# Altium PCB module_base.PcbDoc (part 1 of 4) (continued)
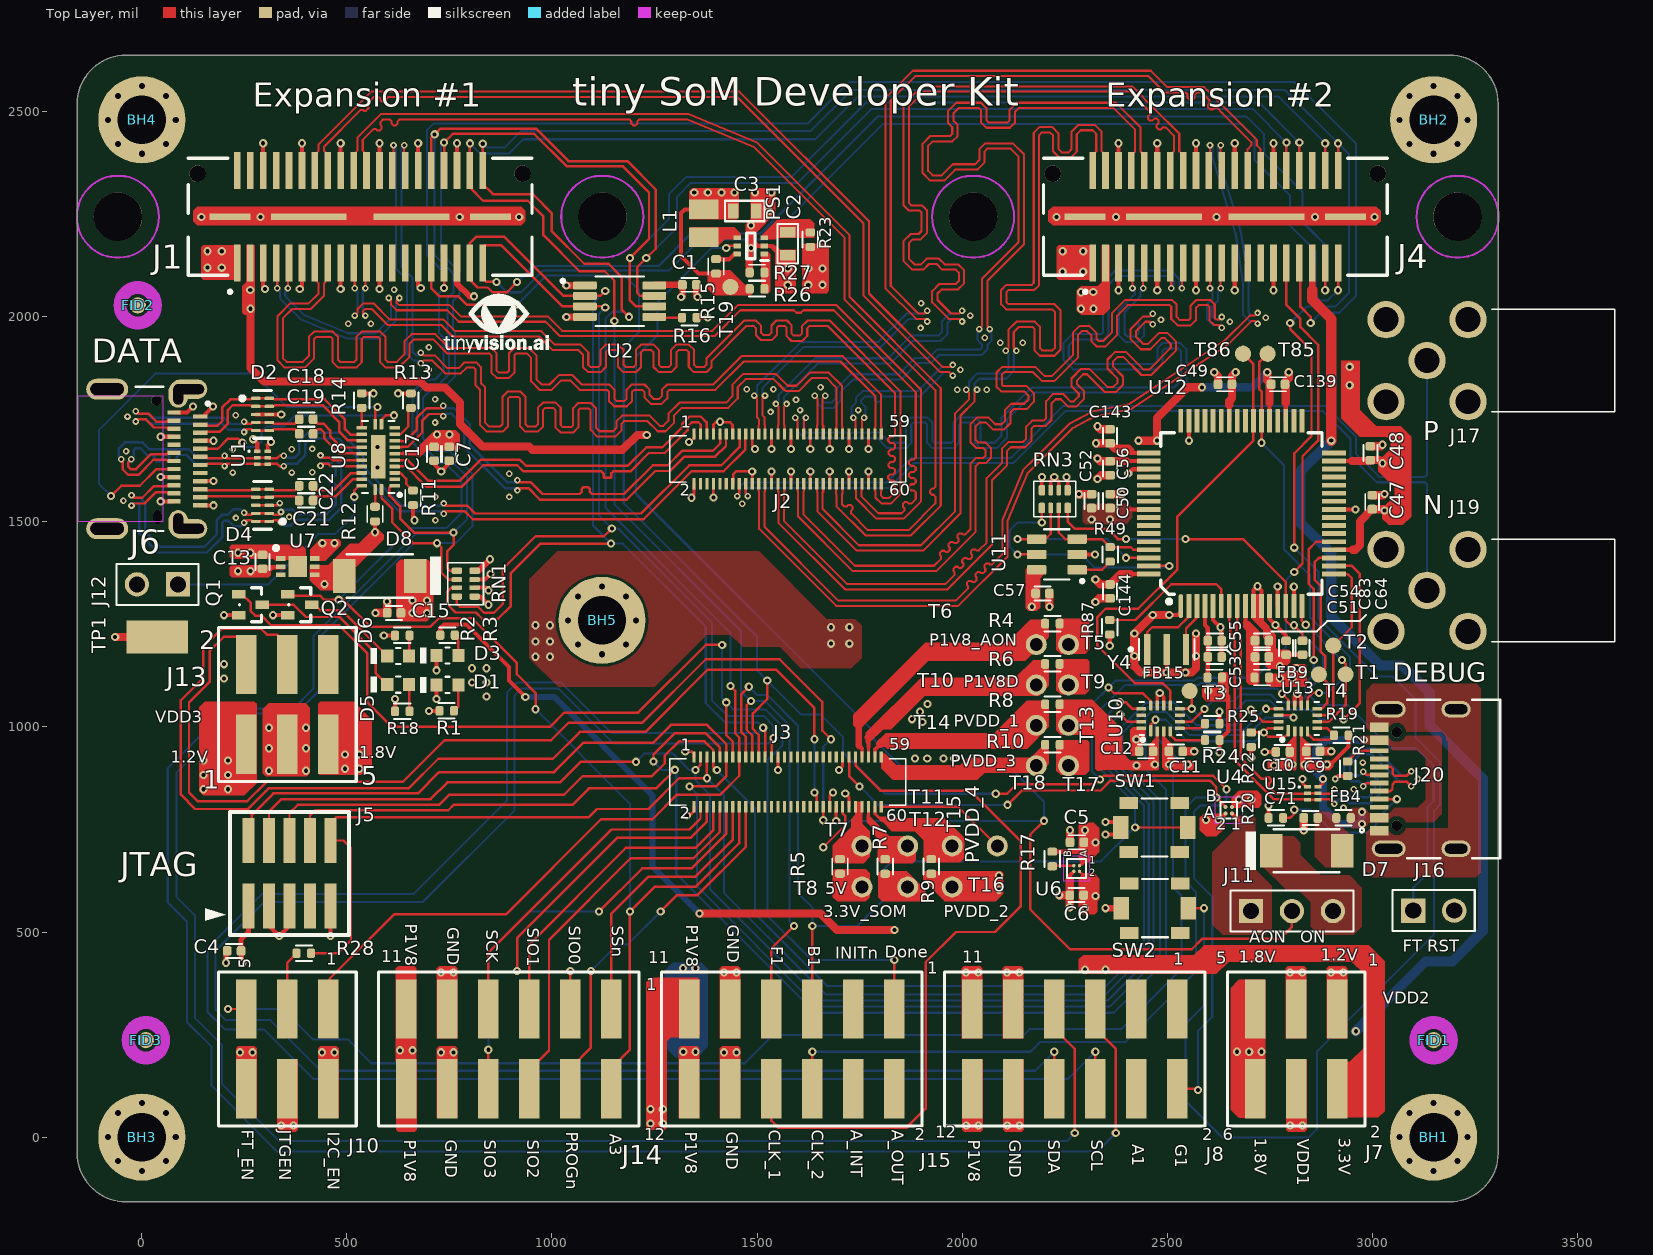
[diagram p0: Top Layer view]
## Part data (continued)
FID1 FID2 FID3: library part FID, Notes=DNP
J1 J4: "Q Strip® High-Speed Ground Plane Header, 0.80mm Pitch", Manufacturer=Samtec, Manufacturer Part Number=QTE-020-01-F-D-A, Package Quantity=1, Supplier Part Number 1=SAM8846-ND, Category="Board to Board Connectors", ComponentLink1Description=https://datasheet.ciiva.com/6924/qte-xxx-xx-x-d-xxx-mkt-6924765.pdf?src-supplier=Digi-Key, ComponentLink1URL=https://datasheet.ciiva.com/6924/qte-xxx-xx-x-d-xxx-mkt-6924765.pdf?src-supplier=Digi-Key, Contact Plating=Gold, Gender=Male, Mated Stacking Heights=5mm, Mounting Technology="Surface Mount", Number of Contacts=40, Number of Positions=40, Number of Rows=2, Packaging=Tray, Pitch=0.031inch, Pricing="1=9.48000, 10=8.53000, 25=8.03560, 40=7.82950, 96=7.62344, 288=6.79931, 480=6.38725, 960=5.64550 (USD)", RoHS=Yes, RoHS Compliant=Yes, Series="QStrip® QTE", Stock=1329, Supplier 1=Digi-Key, Termination=Solder
J2 J3: "CONN RCPT 60POS SMD GOLD", Current Rating=300mA, Manufacturer=Hirose, Package Quantity=5000, Supplier Part Number 1=26-DF40C-60DS-0.4V(51)CT-ND, Voltage Rating=30V, Category="Headers and Wire Housings", ComponentLink1Description=https://datasheet.ciiva.com/46408/1824826-46408909.pdf?src-supplier=Element14, ComponentLink1URL=https://datasheet.ciiva.com/46408/1824826-46408909.pdf?src-supplier=Element14, Connector Type=Receptacle, Contact Material=Bronze, Contact Plating=Gold, Gender=Receptacle, Housing Material=Polymer, Lead Free="Lead Free", Manufacturer Part Number=DF40C-60DS-0.4V(51), Mated Stacking Heights=1.5mm, Mounting Technology="Surface Mount", Number of Contacts=60, Number of Positions=60, Number of Rows=2, Packaging="Tape and Reel", Pitch=0.4mm, Pricing="1=1.29000, 10=1.08900, 25=1.04440, 50=1.02220, 100=0.97770, 250=0.88880, 500=0.79992, 1000=0.71104, 2500=0.64438 (USD)", Reach SVHC Compliant=No, RoHS=Yes, RoHS Compliant=Yes, Series=DF40, Stock=11621, Supplier 1=Digi-Key, Termination=SMD/SMT
J5: library part HDR2X5_1.27mm, "CONN HEADER SMD 10POS 1.27MM", Color=Black, Current Rating=1.75A, Manufacturer="Samtec Inc.", Max Operating Temperature=125°C, Min Operating Temperature=-55°C, Package Quantity=550, Supplier Part Number 1=SAM13165CT-ND, Category="Headers and Wire Housings", ComponentLink1Description=https://datasheet.ciiva.com/10245/ftsh-mt-10245289.pdf?src-supplier=Avnet, ComponentLink1URL=https://datasheet.ciiva.com/10245/ftsh-mt-10245289.pdf?src-supplier=Avnet, ComponentLink2Description=https://datasheet.ciiva.com/739/ftsh-1xx-xx-xxx-dv-xxx-mkt-739005.pdf?src-supplier=Digi-Key, ComponentLink2URL=https://datasheet.ciiva.com/739/ftsh-1xx-xx-xxx-dv-xxx-mkt-739005.pdf?src-supplier=Digi-Key, ComponentLink3Description=https://datasheet.ciiva.com/23735/81359-23735917.pdf?src-supplier=Newark, ComponentLink3URL=https://datasheet.ciiva.com/23735/81359-23735917.pdf?src-supplier=Newark, Connector Type="Male Pin", Contact Material=Bronze, Contact Mating Length=0.12inch, Contact Plating=Gold, Contact Type="Male Pin", Depth=3.43mm, Gender=Male, Housing Color=Black, Housing Material=Polymer, Lead Free="Lead Free", Length=6.35mm, Manufacturer Part Number=FTSH-105-01-L-DV-K-TR, Max Current Rating=1.75A, Mount="Surface Mount", Number of Contacts=10, Number of Positions=10, Number of Rows=2, Orientation=Straight, Packaging="Tape and Reel", Pitch=1.27mm, Pricing 1="1=4.28000, 10=3.88500, 100=3.42300 (USD)", Radiation Hardening=No, REACH SVHC="No SVHC", RoHS=Yes, RoHS Compliant=Yes, Row Spacing=0.05inch, Series=FTSH, Stock 1=18878, Supplier 1=Digi-Key, Termination=Solder
J6: library part "USB 3.1_HRS_CX90B1-24P", "CONN RCP USB3.1 TYPEC 24P SMD RA", Manufacturer="Hirose Electric Co Ltd", Supplier Part Number 1=H125778CT-ND, ComponentLink1Description=https://www.mouser.com/ds/2/445/632723x00011-782157.pdf?src-supplier=Mouser, ComponentLink1URL=https://www.mouser.com/ds/2/445/632723x00011-782157.pdf?src-supplier=Mouser, ComponentLink2Description=https://katalog.we-online.de/em/datasheet/632723x00011.pdf?src-supplier=Digi-Key, ComponentLink2URL=https://katalog.we-online.de/em/datasheet/632723x00011.pdf?src-supplier=Digi-Key, Manufacturer Part Number=CX90B1-24P, Number of Contacts=24, Supplier 1=Digi-Key
J7 J10 J13: "Conn Unshrouded Header HDR 6 POS 2.54mm Solder ST Top Entry SMD Tube", Color=Black, Current Rating=7A, Manufacturer=Samtec, Manufacturer Part Number=TSM-103-01-L-DV, Max Operating Temperature=125°C, Max Voltage Rating (AC)=475V, Min Operating Temperature=-55°C, Package Quantity=1, Supplier Part Number 1=SAM10786-ND, Category="Headers and Wire Housings", ComponentLink1Description=https://datasheet.ciiva.com/25616/0900766b81157e6c-25616863.pdf?src-supplier=Rs, ComponentLink1URL=https://datasheet.ciiva.com/25616/0900766b81157e6c-25616863.pdf?src-supplier=Rs, ComponentLink2Description=https://datasheet.ciiva.com/739/tsm-1xx-xx-xxx-xx-x-xxx-x-mkt-739577.pdf?src-supplier=Digi-Key, ComponentLink2URL=https://datasheet.ciiva.com/739/tsm-1xx-xx-xxx-xx-x-xxx-x-mkt-739577.pdf?src-supplier=Digi-Key, Contact Material=Bronze, Contact Mating Length=0.23inch, Contact Plating=Gold, Contact Type="Male Pin", Depth=7.36mm, Gender=Male, Housing Color=Black, Housing Material=Polymer, Lead Free="Lead Free", Length=7.62mm, Max Current Rating=7A, Mounting Technology="Surface Mount", Number of Contacts=6, Number of Positions=6, Number of Rows=2, Orientation=Straight, Packaging=Rail/Tube, Pitch=2.54mm, Pricing="1=1.17000, 10=0.99000, 100=0.88880, 500=0.72720, 1000=0.64640, 5000=0.56560, 10000=0.53732 (USD)", Radiation Hardening=No, Reach SVHC Compliant=No, RoHS=Yes, RoHS Compliant=Yes, Row Spacing=0.1inch, Series=TSM, Stock=12257, Supplier 1=Digi-Key, Termination=Solder, Voltage Rating=475V
  J7: Content="VDD1/2 SEL"
  J10: Content="FTDI/JTAG EN"
  J13: Content=VDD3/CLK
J8 J14 J15: "Conn Unshrouded Header HDR 12 POS 2.54mm Solder ST Top Entry SMD Tube", Color=Black, Flammability Rating="UL94 V-0", Manufacturer=Samtec, Manufacturer Part Number=TSM-106-01-L-DV, Max Operating Temperature=125°C, Min Operating Temperature=-55°C, Package Quantity=1, Supplier Part Number 1=SAM10803-ND, Category="Headers and Wire Housings", ComponentLink1Description=https://datasheet.ciiva.com/739/tsm-1xx-xx-xxx-xx-x-xxx-x-mkt-739673.pdf?src-supplier=Digi-Key, ComponentLink1URL=https://datasheet.ciiva.com/739/tsm-1xx-xx-xxx-xx-x-xxx-x-mkt-739673.pdf?src-supplier=Digi-Key, Connector Type=Header, Contact Finish - Mating=GOLD, Contact Material=Bronze, Contact Mating Length=0.23inch, Contact Plating=Gold, Contact Shape=Square, Contact Type="Male Pin", Fastening Type=Pull, Gender=Male, Insulation Color=Black, Insulation Material=Polymer, Lead Free="Lead Free", Mounting Technology="Surface Mount", Number of Contacts=12, Number of Positions=12, Number of Rows=2, Packaging=Rail/Tube, Pitch=0.1inch, Pricing="1=2.21000, 10=1.92300, 100=1.71800, 500=1.43168, 1000=1.22715, 5000=1.08807 (USD)", Radiation Hardening=No, Reach SVHC Compliant=No, RoHS=Yes, RoHS Compliant=Yes, Row Spacing=0.1inch, Series=TSM, Stock=6386, Supplier 1=Digi-Key, Termination=Solder
  J8: Content=I2C
  J14: Content=SPI
  J15: Content=MISC
J11: "CONN HEADER .100 SNGL STR 3POS", Color=Black, Manufacturer=Sullins, Manufacturer Part Number=PRPC003SAAN-RC, Package Quantity=1, Supplier Part Number 1=S1011EC-03-ND, Category=Connectors, ComponentLink1Description=https://datasheet.ciiva.com/741/xrxczzzsxxn-rc-st-11635-b-741242.pdf?src-supplier=Digi-Key, ComponentLink1URL=https://datasheet.ciiva.com/741/xrxczzzsxxn-rc-st-11635-b-741242.pdf?src-supplier=Digi-Key, Contact Mating Length=0.23inch, Contact Plating=Gold, Contact Type="Male Pin", Content=EN, Mounting Technology="Through Hole", Number of Positions=3, Number of Rows=1, Packaging=Bulk, Pitch=0.1inch, Pricing="1=0.12000, 10=0.10900, 25=0.08120, 50=0.06960, 100=0.06730, 250=0.05804, 500=0.05572 (USD)", RoHS=Yes, RoHS Compliant=Yes, Series=-, Stock=16156, Supplier 1=Digi-Key, Termination=Solder
J12 J16: "Conn Header Vert 2POS 2.54MM", Color=Black, Manufacturer=Sullins, Manufacturer Part Number=PRPC002SAAN-RC, Package Quantity=1, Supplier Part Number 1=S1011EC-02-ND, Category=Connectors, ComponentLink1Description=https://datasheet.ciiva.com/741/xrxczzzsxxn-rc-st-11635-b-741243.pdf?src-supplier=Digi-Key, ComponentLink1URL=https://datasheet.ciiva.com/741/xrxczzzsxxn-rc-st-11635-b-741243.pdf?src-supplier=Digi-Key, Contact Mating Length=0.23inch, Contact Plating=Gold, Contact Type="Male Pin", Mounting Technology="Through Hole", Number of Positions=2, Number of Rows=1, Packaging=Bulk, Pitch=0.1inch, Pricing="1=0.08000, 10=0.07300, 25=0.05400, 50=0.04640, 100=0.04490, 250=0.03872, 500=0.03716 (USD)", RoHS=Yes, RoHS Compliant=Yes, Series=-, Stock=31528, Supplier 1=Digi-Key, Termination=Solder
  J12: Content=USB_I2C_EN
  J16: Content=DNI
J17: library part CN-S-4F-RF5, "SMA Right-Angle PCB Jack Receptacle, Brass Body, Gold Plated, 50 Ohm, 5-Pin THD, RoHS, Tray", Case/Package=SMA, Clock Frequency=18GHz, Dielectric Material=PTFE, Housing Color=Gold, Manufacturer=Molex, Manufacturer Part Number=73100-0114, Max Operating Temperature=165°C, Min Operating Temperature=-65°C, Operating Frequency="0 to 12Hz", Package Quantity=1760, Supplier Part Number 1=WM5525-ND, Voltage Rating=500V, Body Material=Brass, Body Plating=Gold, Category="RF / Coaxial Connectors", Center Contact Plating=Gold, Connector Type=PCB,SMA,Coaxial, Contact Material=Copper, Contact Plating=Gold, Fastening Type=Threaded, Gender=Female, Halogen Free=5696HalogenFree, Impedance=50R, Insulation Material=Teflon, Lead Free=5697LeadFree, Length=14.8mm, Mounting Technology="Through Hole", Number of Contacts=1NUMBER, Orientation="Right Angle", Packaging=Tray, Plating=Gold, Polarity=Normal, Pricing="1=8.01000, 10=7.00800, 80=5.67300, 1760=4.57174 (USD)", Radiation Hardening=No, Reach SVHC Compliant=Unknown, RoHS=Yes, RoHS Compliant=Yes, Series=73100, Stock=19371, Supplier 1=Digi-Key, Termination=Solder
J19: library part CN-S-4F-RF5, "RF SMA Connector, 1 Contact(s), Female, Board Mount, Solder Terminal, Locking, Jack", Case/Package=SMA, Clock Frequency=18GHz, Dielectric Material=PTFE, Housing Color=Gold, Manufacturer=Molex, Manufacturer Part Number=73100-0114, Max Operating Temperature=165°C, Min Operating Temperature=-65°C, Operating Frequency="0 to 12Hz", Package Quantity=1760, Supplier Part Number 1=WM5525-ND, Voltage Rating=500V, Body Material=Brass, Body Plating=Gold, Category="RF / Coaxial Connectors", Center Contact Plating=Gold, Connector Type=PCB,SMA,Coaxial, Contact Material=Copper, Contact Plating=Gold, Fastening Type=Threaded, Gender=Female, Halogen Free=5696HalogenFree, Impedance=50R, Insulation Material=Teflon, Lead Free=5697LeadFree, Length=14.8mm, Mounting Technology="Through Hole", Number of Contacts=1NUMBER, Orientation="Right Angle", Packaging=Tray, Plating=Gold, Polarity=Normal, Pricing="1=8.01000, 10=7.00800, 80=5.67300, 1760=4.57174 (USD)", Radiation Hardening=No, Reach SVHC Compliant=Unknown, RoHS=Yes, RoHS Compliant=Yes, Series=73100, Stock=19371, Supplier 1=Digi-Key, Termination=Solder
J20: library part "CONN RCP USB2.0 TYP C 24P SMD RA", "Conn USB 2.0 Type C RCP 24 POS 0.3mm/0.5mm Solder RA SMD 24 Terminal 1 Port T/R", Manufacturer="Global Connector Technology", Supplier Part Number 1=86AH2021, Category="USB Connectors", Manufacturer Part Number=USB4105-GF-A, Pricing 1="1=0.75400, 10=0.68200, 25=0.64000, 50=0.61200, 100=0.58400, 250=0.52900, 500=0.48700 (USD)", RoHS=No, Stock 1=2162, Supplier 1=Newark
L1: library part 725321dda6339637d4d059423bc1c3c, "FIXED IND 1UH 2.7A 57 MOHM SMD", Manufacturer="Murata Electronics", Manufacturer Part Number=DFE201610E-1R0M=P2, Supplier Part Number 1=490-18106-1-ND
Logo1: library part "Logo WEEE", "WEEE logo", Lib Reference="WEEE logo", PartNumber="WEEE logo"
Logo2: library part "Logo ESD", "ESD Susceptible Symbol", LatestRevisionDate=2017-07-06, Lib Reference=ESD_Susceptible, PartNumber="ESD Susceptible", Published=2009-03-03, Publisher="Texas Instruments", SymbolCreator=a0412235, SymbolVersion=2011-08-22
PS1: library part AP61102Z6-7, "DC-DC CONV LV BUCK SOT563", Manufacturer="Diodes Incorporated", Supplier Part Number 1=31-AP61100QZ6-7TR-ND, Height=0.6mm, Manufacturer Part Number=AP61100QZ6-7, Supplier 1=Digi-Key
PVDD_4 T1 T2 T3 T4 T5 T6 T7 T8 T9 T10 T11 T12 T13 T14 T15 T16 T17 T18 T85 T86: "test point"
Q1 Q2: library part 1926738d861a973c8d722c53ec8fd09, "MOSFET N-CH 50V 0.2A UMT3F", Continuous Drain Current=200mA, Drain to Source Breakdown Voltage=50V, Drain to Source Resistance=1.6Ω, Gate To Source Voltage=8V, Input Capacitace At Vds="26pF @ 10V", Manufacturer=Rohm, Max Forward Diode Voltage=1.2V, Max Junction Temp=+150°C, Package=UMT3F, Power Dissipation=150mW, Pulse Drain Current=800mA, Supplier Part Number 1=755-RU1J002YNTCL, Temperature="to +150°C", Automotive=No, Category=Trans, ComponentLink2Description=Datasheet, ComponentLink2URL=https://d1d2qsbl8m0m72.cloudfront.net/en/products/databook/datasheet/discrete/transistor/mosfet/ru1j002yn-e.pdf, Depletion Mode=False, Device Class L1="Discrete Semiconductors", Device Class L2=Transistors, Device Class L3=MOSFETs, Drain To Source Voltage=50V, Height=1.05mm, Lead Free=Yes, Manufacturer Part Number=RU1J002YNTCL, Mouser Description="MOSFET 0.9V Drive Nch MOSFET", Number Of Channels=1, Number Of N Channels=1, Octopart=https://octopart.com/ru1j002yntcl-rohm-47197697, RoHS=TRUE, Rthja Max=833°C/W, Standoff Height=0mm, Supplier 1=Mouser, Threshold Vgs Max=0.8V, Threshold Vgs Min=0.3V, Turn Off Delay Time=17ns, Turn On Delay Time=5ns
R1 R2 R3 R16 R17 R18 R28: library part "RES 1K OHM 1% 1/16W 0402", "RES SMD 1K OHM 1% 1/16W 0402", Manufacturer=YAGEO, Manufacturer Part Number=RC0402FR-071KL, Package=0402, Supplier Part Number 1=311-1.00KLRCT-ND, Height=0.4mm, Supplier 1=Digi-Key
R4 R5 R6 R7 R8 R9 R10 R23: library part "RES 0.5 OHM 1% 1/8W 0402", "RES 0.1 OHM 1% 1/8W 0402", Manufacturer="Stackpole Electronics Inc", Manufacturer Part Number=CSR0402FKR100, Package=0402, Supplier Part Number 1=CSR0402FKR100CT-ND, Height=0.43mm, Supplier 1=Digi-Key
R11 R13 R14 R22: library part "RES SMD 10K OHM 1% 1/16W 0402", "RES SMD 10K OHM 1% 1/16W 0402", Manufacturer="Samsung Electro-Mechanics", Manufacturer Part Number=RC1005F103CS, Package=0402, Supplier Part Number 1=1276-3431-2-ND, Height=0.4mm, Supplier 1=Digi-Key
R12: library part "RES 910K OHM 1% 1/16W 0402", "RES 910K OHM 1% 1/16W 0402", Manufacturer=YAGEO, Manufacturer Part Number=RC0402FR-07910KL, Package=0402, Supplier Part Number 1=YAG3257CT-ND, Height=0.4mm, Supplier 1=Digi-Key
R15: library part "RES 0 OHM JUMPER 1/20W 0201", "RES 0 OHM JUMPER 1/16W 0402", Manufacturer=Yageo, Manufacturer Part Number=RC0402JR-070RL, Package=0402, Supplier Part Number 1=311-0.0JRCT-ND, Height=0.4mm, Supplier 1=Digi-Key
R19 R20 R21 R24 R25: library part "RES 4.7K OHM 1% 1/16W 0402", "RES SMD 4.7K OHM 1% 1/16W 0402", Manufacturer="Stackpole Electronics Inc", Manufacturer Part Number=RMCF0402FT4K70, Package=0402, Supplier Part Number 1=RMCF0402FT4K70TR-ND, Height=0.4mm, Supplier 1=Digi-Key
R26: library part Res_10K_1%_0402, "RES SMD 200K OHM 1% 1/16W 0402", Manufacturer="Stackpole Electronics Inc", Manufacturer Part Number=RMCF0402FT200K, Package=0402, Supplier Part Number 1=RMCF0402FT200KTR-ND, Height=0.4mm, Supplier 1=Digi-Key
R27: library part Res_10K_1%_0402, "RES SMD 44.2K OHM 1% 1/16W 0402", Manufacturer=Yageo, Manufacturer Part Number=RC0402FR-0744K2L, Package=0402, Supplier Part Number 1=YAG3163TR-ND, Height=0.4mm, Supplier 1=Digi-Key
R49: library part "RES 2K OHM 1% 1/16W 0402", "RES 2K OHM 1% 1/16W 0402", Manufacturer=YAGEO, Manufacturer Part Number=RC0402FR-072KL, Package=0402, Supplier Part Number 1=311-2KLRCT-ND, Height=0.4mm, Supplier 1=Digi-Key
R87: library part "RES 12.1K OHM 1% 1/16W 0402", "RES 12.1K OHM 1% 1/16W 0402", Manufacturer=Yageo, Manufacturer Part Number=RC0402FR-0712K1L, Package=0402, Supplier Part Number 1=311-12.1KLRTR-ND, Height=0.4mm, Supplier 1=Digi-Key
RN1 RN3: library part "RES ARRAY 4 RES 47K OHM 0804", "Res Thick Film Array 10K Ohm 5% ±200ppm/°C ISOL 8-Pin 0804(4 X 0402) Convex SMD Automotive T/R", Case Code (Imperial)=0402, Case Code (Metric)=1005, Case/Package=0804, Manufacturer=Panasonic, Manufacturer Part Number=EXB-28V103JX, Max Operating Temperature=125°C, Min Operating Temperature=-55°C, Number of Resistors=4, Package Quantity=1, Power Dissipation=63mW, Power Per Element=62.5mW, Resistance Tolerance=5%, Supplier Part Number 1=Y7103CT-ND, Temperature Coefficient=200ppm/°C, Voltage Rating=50V, Voltage Rating (DC)=100V, Category="Resistor Arrays", Circuit Type=Isolated, ComponentLink1Description=https://datasheet.ciiva.com/46387/1480003-46387949.pdf?src-supplier=Element14, ComponentLink1URL=https://datasheet.ciiva.com/46387/1480003-46387949.pdf?src-supplier=Element14, ComponentLink2Description=https://datasheet.ciiva.com/46376/1480003-46376265.pdf?src-supplier=Element14, ComponentLink2URL=https://datasheet.ciiva.com/46376/1480003-46376265.pdf?src-supplier=Element14, ComponentLink3Description=https://datasheet.ciiva.com/28418/1790599-28418558.pdf?src-supplier=Element14, ComponentLink3URL=https://datasheet.ciiva.com/28418/1790599-28418558.pdf?src-supplier=Element14, ComponentLink4Description=https://datasheet.ciiva.com/28636/1790599-28636885.pdf?src-supplier=Element14, ComponentLink4URL=https://datasheet.ciiva.com/28636/1790599-28636885.pdf?src-supplier=Element14, ComponentLink5Description=https://datasheet.ciiva.com/30209/aoc0000ce1-30209125.pdf?src-supplier=Onlinecomponents.com, ComponentLink5URL=https://datasheet.ciiva.com/30209/aoc0000ce1-30209125.pdf?src-supplier=Onlinecomponents.com, Depth=1mm, Height=0.35mm, Lead Free="Lead Free", Length=2mm, Military Standard=Not, Mounting Technology="Surface Mount", Number of Contacts=8, Number of Elements=4, Packaging="Tape and Reel", Pins=8, Pricing="1=0.10000, 10=0.08100, 25=0.05640, 50=0.04380, 100=0.03130, 250=0.02444, 500=0.01942, 1000=0.01378, 5000=0.01065 (USD)", Radiation Hardening=No, Reach SVHC Compliant=Unknown, RoHS=Yes, RoHS Compliant=Yes, Series=EXB, Stock=1570078, Supplier 1=Digi-Key, Technology="THICK FILM", Terminal Pitch=0.5mm, Termination=Convex, Tolerance=5%, Width=1mm
SW1 SW2: library part SPST_NO, "SWITCH TACTILE SPST-NO 0.05A 12V", Manufacturer=C&K, Supplier Part Number 1=CKN10897CT-ND, Manufacturer Part Number="PTS820 J25K SMTR LFS", Supplier 1=Digi-Key
T19: library part TP_S, "test point"
TP1: "PC TEST POINT MINIATURE", Manufacturer="Keystone Electronics", Supplier Part Number 1=36-5019CT-ND, ComponentLink1Description="Manufacturer URL", ComponentLink1URL=http://www.keyelco.com/, ComponentLink2Description=Datasheet, ComponentLink2URL=http://keyelco.com/userAssets/file/M65p56.pdf, Manufacturer Part Number=5019, Supplier 1=Digi-Key
U1 U15: library part ONSC-ESDR0502N-UDFN-6-517AA-01, "TVS DIODE 5.5VWM 6UDFN", Manufacturer="ON Semiconductor", Supplier Part Number 1=863-ESDR0502NMUTAG, ComponentLink1Description="Manufacturer URL", ComponentLink1URL=http://www.onsemi.com/, ComponentLink2Description=Datasheet, ComponentLink2URL=http://www.onsemi.cn/pub_link/Collateral/ESDR0502N-D.PDF, ComponentLink3Description="Package Specification", ComponentLink3URL=http://www.onsemi.com/pub_link/Collateral/517AA.PDF, Manufacturer Part Number=ESDR0502NMUTAG, Supplier 1=Mouser
U2: library part TI-TCA9509-MSOP_DGK-8, "Level-translating I2C And Smbus", Case/Package=VSSOP, Clock Frequency=400kHz, Manufacturer="Texas Instruments", Max Operating Temperature=85°C, Max Supply Voltage=5.5V, Min Operating Temperature=-40°C, Min Supply Voltage=900mV, Operating Supply Current=3mA, Supplier Part Number 1=296-30283-1-ND, Category="Interface ICs", ComponentLink1Description=https://datasheet.ciiva.com/22791/tca9509-22791264.pdf?src-supplier=Farnell, ComponentLink1URL=https://datasheet.ciiva.com/22791/tca9509-22791264.pdf?src-supplier=Farnell, ComponentLink2Description=https://datasheet.ciiva.com/3149/tca9509-3149522.pdf?src-supplier=Avnet, ComponentLink2URL=https://datasheet.ciiva.com/3149/tca9509-3149522.pdf?src-supplier=Avnet, ComponentLink3Description=https://datasheet.ciiva.com/26911/getdatasheetpartid-476504-26911504.pdf?src-supplier=Verical, ComponentLink3URL=https://datasheet.ciiva.com/26911/getdatasheetpartid-476504-26911504.pdf?src-supplier=Verical, ComponentLink4Description=https://datasheet.ciiva.com/41460/001187989-da-01-en-ic-i2c-bus-rep-l-tca9509dgkr-vssop-8-tid-41460370.pdf?src-supplier=Conrad, ComponentLink4URL=https://datasheet.ciiva.com/41460/001187989-da-01-en-ic-i2c-bus-rep-l-tca9509dgkr-vssop-8-tid-41460370.pdf?src-supplier=Conrad, ComponentLink5Description=https://datasheet.ciiva.com/1784/tca9509-1784225.pdf?src-supplier=Digi-Key, ComponentLink5URL=https://datasheet.ciiva.com/1784/tca9509-1784225.pdf?src-supplier=Digi-Key, ComponentLink6Description=https://datasheet.ciiva.com/1784/tca9509-1784226.pdf?src-supplier=Digi-Key, ComponentLink6URL=https://datasheet.ciiva.com/1784/tca9509-1784226.pdf?src-supplier=Digi-Key, ComponentLink7Description=https://datasheet.ciiva.com/1784/tca9509-1784227.pdf?src-supplier=Digi-Key, ComponentLink7URL=https://datasheet.ciiva.com/1784/tca9509-1784227.pdf?src-supplier=Digi-Key, Height=0.95mm, Input="2-Wire Bus", Lead Free="Lead Free", Length=3.1mm, Manufacturer Part Number=TCA9509DGKR, Number Of Channels=1, Number of Outputs=2, Packaging="Tape and Reel", Pins=8, Pricing="1=1.27000, 10=1.13200, 25=1.07480, 100=0.88270, 250=0.82516, 500=0.72922, 1000=0.57570 (USD)", Propagation Delay=132.8ns, Radiation Hardening=No, Reach SVHC Compliant=No, RoHS=Yes, RoHS Compliant=Yes, Series=-, Stock=68069, Supplier 1=Digi-Key, Weight=0.001058oz, Width=3.1mm
U4: library part TCK106AG, "IC PWR SWITCH P-CHAN 1:1 4WCSPD", Manufacturer=Toshiba, Number_devices_in_Package=1, Supplier Part Number 1=TCK106AGLFCT-ND, 1pc cost=$0.47, 100pc cost=$0.2349, Built_By=EMA_UL_Team, Copyright="Copyright (C) 2018 Accelerated Designs. All rights reserved", Height=0.55mm, Manufacturer Part Number=TCK106AG,LF, RefDes=RefDes, Source_Package=TCK106AG, Supplier 1=Digi-Key, Type=DEV, Vendor=Toshiba
U6: "LDO Regulator, 200 mA, Low Vin, Ultra-High PSRR 1.2V, Active Discharge", Manufacturer="ON Semiconductor", Supplier Part Number 1=488-NCP110AFCT120T2GCT-ND, Category="Voltage Regulators - Linear", Manufacturer Part Number=NCP110AFCT120T2G, Pricing 1="1=0.41000, 10=0.33100, 25=0.30280, 100=0.22520, 250=0.20412, 500=0.16892, 1000=0.12669, 2500=0.11613 (USD)", RoHS=Yes, RoHS Compliant=Yes, Stock 1=4650, Supplier 1=Digi-Key
U7: "IC CTLR OVP 28V W/NMOS 6-DFN", Case/Package=DFN, Manufacturer="ON Semiconductor", Max Operating Temperature=85°C, Max Supply Voltage=28V, Min Operating Temperature=-40°C, Min Supply Voltage=1.2V, Operating Supply Current=70uA, Package Quantity=3000, Supplier Part Number 1=NCP349MNAETBGOSCT-ND, Category="Power Management ICs", ComponentLink1Description=https://datasheet.ciiva.com/1967/ncp349-d-1967888.pdf?src-supplier=Avnet, ComponentLink1URL=https://datasheet.ciiva.com/1967/ncp349-d-1967888.pdf?src-supplier=Avnet, ComponentLink2Description=https://datasheet.ciiva.com/6602/ncp349-d-6602421.pdf?src-supplier=Digi-Key, ComponentLink2URL=https://datasheet.ciiva.com/6602/ncp349-d-6602421.pdf?src-supplier=Digi-Key, ComponentLink3Description=https://datasheet.ciiva.com/6602/ncp349-d-6602425.pdf?src-supplier=Digi-Key, ComponentLink3URL=https://datasheet.ciiva.com/6602/ncp349-d-6602425.pdf?src-supplier=Digi-Key, Halogen Free="Halogen Free", Height=0.95mm, Lead Free="Lead Free", Length=2mm, Manufacturer Part Number=NCP349MNAETBG, Mount="Surface Mount", Number of Pins=6, Packaging="Tape and Reel", Pricing 1="1=0.96000, 10=0.84700, 25=0.79520, 100=0.64900, 250=0.60284, 500=0.51304, 1000=0.41043 (USD)", Reach SVHC Compliant=Yes, RoHS=Yes, RoHS Compliant=Yes, Series=-, Stock 1=1255, Supplier 1=Digi-Key, Weight=0.000744oz, Width=1.6mm
U8: "USB Power SW DIST Single 2.7V to 5.5V 1.5A/3A 24-Pin TQFN T/R", Manufacturer=Diodes, Supplier Part Number 1=PI5USB30213XEAEXCT-ND, Category="Power Management ICs", ComponentLink1Description=https://media.digikey.com/pdf/Data%20Sheets/Pericom%20PDFs/PI5USB30213_Web.pdf?src-supplier=Digi-Key, ComponentLink1URL=https://media.digikey.com/pdf/Data%20Sheets/Pericom%20PDFs/PI5USB30213_Web.pdf?src-supplier=Digi-Key, Manufacturer Part Number=PI5USB30213XEAEX, Pricing="1=1.92000, 10=1.72200, 25=1.62480, 100=1.38450, 250=1.30000, 500=1.13750, 1000=0.94250 (USD)", RoHS=Yes, RoHS Compliant=Yes, Stock=3456, Supplier 1=Digi-Key
U10 U13: "4-Bit Bus Transceiver with Configurable Voltage Translation and Tri-State Outputs 16-Pin UQFN", Manufacturer="Texas Instruments", Supplier Part Number 1=296-53432-1-ND, Category="Buffers, Drivers and Transceivers", ComponentLink1Description=http://www.ti.com/general/docs/suppproductinfo.tsp?distId=10&amp;gotoUrl=http%3A%2F%2Fwww.ti.com%2Flit%2Fgpn%2Fsn74axc4t245&src-supplier=Digi-Key, ComponentLink1URL=http://www.ti.com/general/docs/suppproductinfo.tsp?distId=10&amp;gotoUrl=http%3A%2F%2Fwww.ti.com%2Flit%2Fgpn%2Fsn74axc4t245&src-supplier=Digi-Key, Manufacturer Part Number=SN74AXC4T245RSVR, Pricing="1=1.48000, 10=1.32500, 25=1.25760, 100=1.03290, 250=0.96552, 500=0.85326, 1000=0.67362 (USD)", RoHS=Yes, Stock=6479, Supplier 1=Digi-Key
U11: "IC EEPROM 2KBIT SPI 2MHZ SOT23-6", Manufacturer="Microchip Technology", Supplier Part Number 1=93AA56BT-I/OTTR-ND, Manufacturer Part Number=93AA56BT-I/OT, Supplier 1=Digi-Key
U12: "IC USB HS DUAL UART/FIFO 64-LQFP", Manufacturer=FTDI, Minimum Operating Temperature=-40°C, Package Reference=LQFP-64, Package Type=LQFP, Supplier Part Number 1=6877720P, Datasheet URL=http://www.ftdichip.com/Support/Documents/DataSheets/ICs/DS_FT2232H.pdf, Datasheet Version="Rev. 2.5, 07/2016", Dimensions=10x10x1.4mm, Height=1.4mm, Length=10mm, Manufacturer Part Number=FT2232HL-REEL, Manufacturer URL=http://www.nxp.com/, Maximum Data Rate=480Mbit/s, Mounting Type=SurfaceMount, Number of Channels per Chip=2, Standard Supported=RS232,RS422,RS485, Supplier 1="RS Components", Width=10mm
Y4: "CERAMIC RES 12.0000MHZ 33PF SMD", Manufacturer="Murata Electronics", Supplier Part Number 1=81-CSTNE12M0G550000R, Datasheet Link=https://www.murata.com/en-eu/products/productdata/8801162067998/SPEC-CSTNE12M0G550000R0.pdf?1559743212000, Height=0.8mm, Manufacturer Part Number=CSTNE12M0G550000R0, Supplier 1=Mouser

## Via types
v1: diameter 20, hole 10, Top Layer to Bottom Layer, 431 vias
v2: diameter 16, hole 8, Top Layer to Bottom Layer, 129 vias
v3: diameter 30, hole 15, Top Layer to Bottom Layer, 40 vias

## Nets (pads, with @x,y where several pads share a name; then routed paths per layer and width w, separated by ;. In a path a pad name is that pad's centre, name@x,y a point inside that pad or via, vN(x,y) a via of type N, cw(c..) or ccw(c..) an arc to the next point about the centre after c; other vN are vias at no path point)
AON_INT: J3.51 J15.8 | length 1783.9
  Top Layer w6: J15.8@1534.8,117.36 1534.8,40.2 1551.9,23.1 1864.9,23.1 1911.16,69.36 1911.16,426.16 1985,500 2079.89,500 2143.49,563.6 2143.49,720.56 2019.05,845 1800.86,845 1740.15,905.73 J3.51@1740.15,926.77
AON_OUT: J3.49 J15.6 U4.B2 | length 2662
  Top Layer w6: J15.6@1634.8,117.36 v1(1634.8,208.11) ; J3.49@1724.41,926.77 1724.41,880.59 v1(1750,855) ; v1(2111,810.11) 2146,845.11 2337.99,845.11 2362.02,869.11 2604,869.11 2620,853.11 v1(2620,828.11) 2642.35,805.76 U4.B2@2642.35,804.83
  Bottom Layer w5: v1(1634.8,208.11) 2166.73,208.11 2190.02,231.4 2398.29,231.4 2570,403.11 2570,598.11 2545,623.11 2545,803.11 2570,828.11 v1(2620,828.11) ; v1(1750,855) 1794.89,810.11 v1(2111,810.11)